# Allegro board rt1064_som.brd (continued)
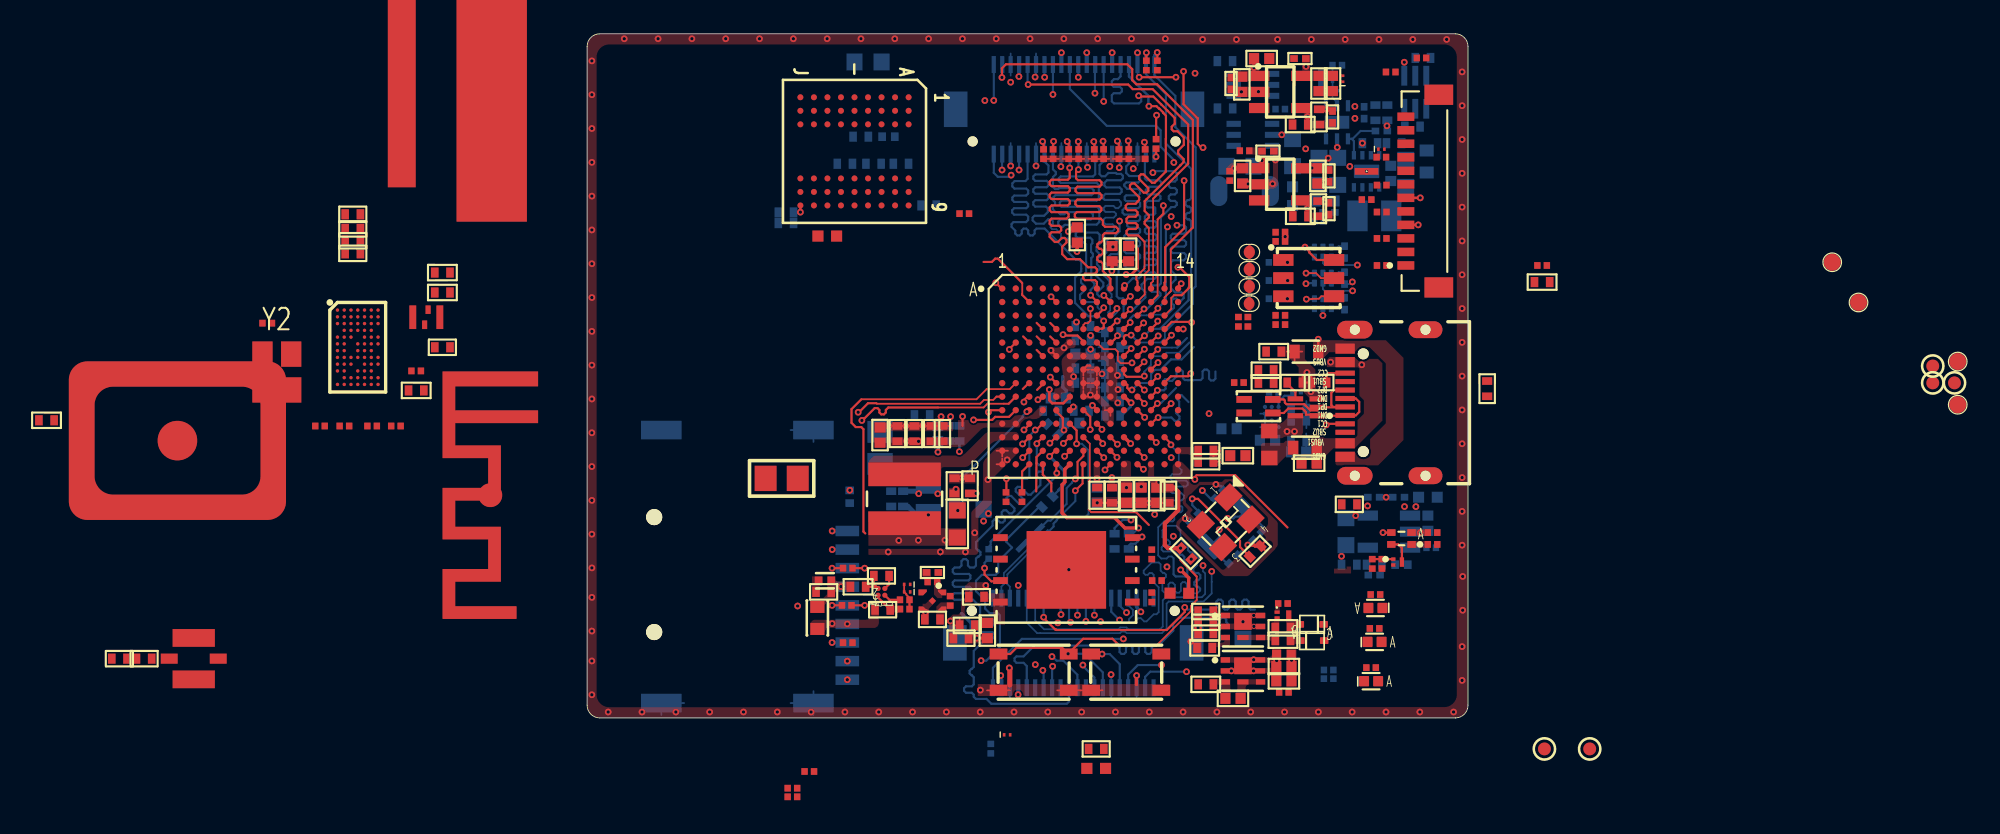
[diagram p0: board, top side]
## Routing (per net, layer and track width the routed paths; a pad name or vN(x,y) marks a point on that pad's centre or on a via; arc(x,y) is an arc through that point) (continued)
GPIO_B1_02: length 21.6
  TOP w0.127: v1(32.94,24.19) U3.C11
  SIG1 w0.127: v1(30.55,36.47) 30.7,36.47 32.59,34.58 32.99,34.58 33.47,34.1 33.47,33.89 33.21,33.63 33.21,32.87 33.46,32.62 v1(33.46,32.26)
  BOTTOM w0.127: v1(33.46,32.26) 33.55,32.35 34.74,32.35 34.87,32.22 34.87,31.85 34.76,31.73 34.51,31.73 34.4,31.62 34.4,31.46 34.51,31.35 34.76,31.35 34.87,31.24 34.87,31.08 34.76,30.97 34.51,30.97 34.4,30.86 34.4,30.7 34.51,30.59 34.76,30.59 34.87,30.48 34.87,30.35 34.75,30.22 34.55,30.22 33.93,29.61 33.93,25.7 33.82,25.59 33.4,25.59 33.29,25.48 33.29,25.32 33.4,25.21 33.82,25.21 33.91,25.12 33.91,24.99 33.11,24.19 v1(32.94,24.19) ; J5.14 v1(30.55,36.47)
GPIO_B1_03: length 21.6
  TOP w0.127: v1(32.91,23.37) U3.D11
  SIG1 w0.102: 34.01,23.86 33.32,23.86
  SIG1 w0.127: 34.01,23.86 34.54,24.39 34.54,24.64 34.18,25.01 34.18,25.16 34.29,25.27 34.45,25.27 34.81,24.91 35.06,24.91 35.57,25.42 35.57,25.48 35.58,25.48 35.58,29.74 34.26,31.06 34.26,33.3 34.04,33.53 34.04,33.89 30.78,37.16 30.23,37.16 v1(30.03,36.96) ; v1(32.91,23.37) 32.91,23.45 33.32,23.86
  BOTTOM w0.127: J5.16 30.03,38.64 v1(30.03,36.96)
GPIO_B1_04: length 21.8
  TOP w0.127: v1(33.77,22.6) 33.75,22.62 33.74,22.62 33.35,22.23 U3.E12
  SIG1 w0.127: v1(33.77,22.6) 34.05,22.88 34.05,22.88 36.19,25.02 36.19,30.15 34.88,31.45 34.88,31.93 35.16,32.21 35.16,33.1 34.98,33.29 34.77,33.29 34.31,33.75 34.31,34.03 30.55,37.79 29.16,37.79 v1(29.05,37.9)
  BOTTOM w0.127: J5.20 v1(29.05,37.9)
GPIO_B1_05: length 21.9
  TOP w0.127: U3.D12 33.75,23.4 v1(33.75,23.48)
  SIG1 w0.127: v1(33.75,23.48) 33.82,23.41 34.14,23.41 35.88,25.15 35.88,29.93 34.55,31.25 34.55,32.71 v1(34.7,32.86)
  BOTTOM w0.127: v1(34.7,32.86) 34.7,33.01 33.92,33.79 33.92,34.76 33.66,35.03 30.73,35.03 28.55,37.21 J5.22
GPIO_B1_06: length 22.7
  TOP w0.127: U3.C12 33.76,24.21 v1(33.76,24.23)
  SIG1 w0.127: v1(27.55,36.89) 27.84,36.89 28.29,37.34 28.47,37.34 28.57,37.23 28.57,37.07 28.09,36.58 28.09,36.42 28.2,36.31 28.36,36.31 28.86,36.82 29.02,36.82 29.13,36.71 29.13,36.55 28.63,36.04 28.63,35.89 28.74,35.77 28.9,35.77 29.4,36.28 29.56,36.28 30.97,34.87 30.97,33.94 31.17,33.73 31.17,33.72 31.64,33.72 31.84,33.52 31.84,31.63 34.23,29.24 34.23,29.14 v1(34.32,29.05)
  BOTTOM w0.127: v1(33.76,24.23) 34.23,24.71 34.23,28.96 v1(34.32,29.05) ; v1(27.55,36.89) J5.26
GPIO_B1_07: length 22
  TOP w0.102: 33.74,25 33.74,29.49
  TOP w0.127: v1(34.08,30.31) 34.08,29.83 33.74,29.49 ; U3.B12 33.74,25
  SIG1 w0.127: v1(27.06,37.9) 27.06,37.77 26.34,37.05 26.34,36.84 26.47,36.71 26.65,36.71 27.64,37.7 27.73,37.7 27.93,37.9 28.17,37.9 28.37,37.7 28.67,37.7 31.84,34.54 32.16,34.54 32.39,34.31 32.39,33.74 32.53,33.6 32.53,33.45 32.33,33.26 32.33,33.08 32.92,32.49 32.92,32.22 32.79,32.09 32.44,32.09 32.31,31.97 32.31,31.72 33.73,30.31 v1(34.08,30.31)
  BOTTOM w0.127: v1(27.06,37.9) 27.05,37.91 J5.28
GPIO_B1_08: length 22.2
  TOP w0.102: 33.35,25.71 33.47,25.84 33.47,30.72
  TOP w0.127: v1(26.08,37.47) 32,37.47 32.27,37.2 32.78,37.2 32.78,37.2 33.45,37.2 35.55,35.1 35.55,32.79 33.47,30.72 ; U3.A12 33.35,25.71
  BOTTOM w0.127: v1(26.08,37.47) 26.05,37.51 J5.32
GPIO_B1_09: length 22
  TOP w0.127: U3.A13 34.15,25.76 34.19,25.79 34.19,27.85 35.31,28.97 v1(35.31,31.79)
  SIG1 w0.127: v1(35.31,31.79) 35.59,32.07 35.59,34.1 35.06,34.63 34.15,34.63 30.48,38.31 25.9,38.31 v1(25.54,37.95)
  BOTTOM w0.127: J5.34 25.55,37.96 v1(25.54,37.95)
GPIO_B1_10: length 26
  TOP w0.102: 34.52,25.25 34.52,27.71 ; 34.52,25.25 34.51,25.25 34.15,24.88 U3.B13 ; 34.52,25.25 34.43,25.16
  TOP w0.127: v1(24.53,37.89) 24.53,38.44 24.77,38.67 31.95,38.67 32.24,38.38 32.24,37.73 32.48,37.49 33.71,37.49 35.82,35.37 35.82,29.01 34.52,27.71
  BOTTOM w0.127: v1(24.53,37.89) 24.55,37.91 J5.38
GPIO_B1_11: length 21.6
  TOP w0.102: U3.C13 34.55,24.21 34.55,24.85 34.71,25.01
  TOP w0.127: 34.71,25.01 35.16,25.01 35.61,25.45 35.61,26.09 35.03,26.66 v1(34.94,26.66)
  SIG1 w0.127: v1(34.94,26.66) 33.34,26.66 24.56,35.44 24.56,35.59 24.56,35.75 24.41,35.9 24.18,35.9 24.05,36.03 v1(24.05,36.53)
  BOTTOM w0.127: v1(24.05,36.53) J5.40
GPIO_B1_14: length 10.3
  SIG1 w0.127: v1(33.97,3.13) 33.97,3.4 34.11,3.54 34.27,3.54 34.4,3.41 34.56,3.41 34.67,3.52 34.67,3.68 34.54,3.81 34.54,3.97 34.65,4.08 34.81,4.08 34.94,3.95 35.1,3.95 35.21,4.06 35.21,4.22 35.08,4.35 35.08,4.51 35.74,5.17 35.89,5.17 35.96,5.1 36.12,5.1 36.23,5.21 36.23,5.37 36.16,5.43 36.16,5.59 36.79,6.22 37.81,6.22 37.98,6.39 38.24,6.39 38.26,6.37
  BOTTOM w0.127: J6.34 32,2.56 32.57,3.13 v1(33.97,3.13)
GPIO_B1_15: length 0.4
  BOTTOM w0.102: U23.2 v1(43.52,23.81)
GPIO_SD_B1_01: length 35.1
  TOP w0.127: v1(27.37,16.26) 27.72,16.61 U3.M5
  SIG1 w0.127: 28.69,13.77 28.04,13.77 27.91,13.65 27.91,12.85 28.02,12.74 29.09,12.74 29.2,12.63 29.2,12.47 29.09,12.36 28.02,12.36 27.91,12.25 27.91,12.09 28.02,11.98 29.09,11.98 29.2,11.87 29.2,11.71 29.09,11.6 28.02,11.6 27.91,11.49 27.91,11.33 28.02,11.22 29.09,11.22 29.2,11.11 29.2,10.95 29.09,10.84 28.02,10.84 27.91,10.73 27.91,9.98 28.05,9.84 28.15,9.84 28.16,9.83 28.77,9.83 28.87,9.74 28.87,9.56 28.76,9.46 28.05,9.46 27.94,9.35 27.94,9.19 28.05,9.08 28.82,9.08 28.93,8.96 28.93,8.81 28.82,8.7 28.05,8.7 27.94,8.58 27.94,8.4 28.07,8.28 28.31,8.28 28.44,8.15 28.44,7.97 28.31,7.84 28.1,7.84 27.94,7.69 27.94,7.48 26.27,5.81 26.27,4.76 26.4,4.63 26.51,4.63 26.64,4.76 26.64,4.94 26.75,5.06 26.9,5.06 27.02,4.94 27.02,4.62 27.13,4.51 27.29,4.51 27.4,4.62 27.4,4.82 27.52,4.94 27.65,4.94 27.78,4.82 27.78,4.62 27.89,4.51 28.05,4.51 28.16,4.62 28.16,4.82 28.29,4.94 28.38,4.94 28.54,4.79 28.54,4.62 28.65,4.51 28.81,4.51 28.92,4.62 28.92,4.94 29.03,5.06 29.19,5.06 29.3,4.94 29.3,4.63 29.43,4.51 29.91,4.51 30.04,4.38 30.04,4.16 29.93,4.05 29.56,4.05 29.4,3.9 29.4,3.68 29.59,3.5 29.93,3.5 30.06,3.37 30.06,3.16 29.51,2.62 27.15,2.62 v1(26.95,2.81)
  BOTTOM w0.127: J6.14 27,2.77 v1(26.95,2.81)
GPIO_SD_B1_02: length 20.1
  TOP w0.13: U3.M3 v1(25.75,16.21)
  SIG1 w0.127: 23.78,8.15 24.83,8.15 24.96,8.03 24.96,7.85 24.85,7.74 24.49,7.74 24.38,7.62 24.38,7.41 24.27,7.3 23.08,7.3 22.92,7.14 22.92,6.96 23.12,6.76 24.26,6.76 24.38,6.63 24.38,6.39 24.27,6.28 23.55,6.28 23.44,6.17 23.44,6.01 23.55,5.9 24.27,5.9 24.38,5.79 24.38,5.63 24.27,5.52 23.55,5.52 23.44,5.41 23.44,5.25 23.55,5.14 24.27,5.14 24.38,5.03 24.38,4.87 24.27,4.76 23.55,4.76 23.44,4.65 23.44,4.49 23.55,4.38 24.27,4.38 24.38,4.27 24.38,3.69 24.51,3.56 25.51,3.56 25.62,3.45 25.62,2.9 25.73,2.79 25.89,2.79 26,2.9 26,3.45 26.11,3.56 26.66,3.56 26.67,3.56 26.78,3.56 27.32,3.02 27.5,3.02 v1(27.53,3.05)
  BOTTOM w0.127: v1(27.53,3.05) 27.51,3.03 27.51,2.86 27.5,2.85 J6.16
GPIO_SD_B1_03: length 40.2
  TOP w0.127: U3.M4 26.6,16.25 v1(26.6,16.23)
  BOTTOM w0.127: 26.6,16 26.6,15.08 26.72,14.96 26.9,14.96 27.01,14.84 27.01,14.69 26.9,14.57 26.71,14.57 26.6,14.46 26.6,14.32 26.81,14.11 26.81,13.78 26.24,13.21 26.08,13.21 25.62,13.67 25.46,13.67 25.35,13.56 25.35,13.4 25.81,12.94 25.81,12.78 25.7,12.67 25.54,12.67 25.08,13.13 24.92,13.13 24.81,13.02 24.81,12.86 25.27,12.4 25.27,12.24 25.13,12.1 24.97,12.1 24.79,12.28 24.63,12.28 24.52,12.17 24.52,12.01 24.7,11.83 24.7,11.67 24.59,11.56 24.43,11.56 24.25,11.74 24.09,11.74 23.98,11.63 23.98,11.38 23,10.4 23,10.03 23.11,9.92 23.15,9.92 23.26,9.81 23.26,9.65 23.15,9.54 23.11,9.54 23,9.43 23,9.01 22.89,8.9 22.64,8.9 22.52,9.02 22.52,9.28 22.41,9.39 22.25,9.39 22.14,9.28 22.14,9.02 22.02,8.9 21.74,8.9 21.63,8.79 21.63,8.63 21.74,8.52 22.58,8.52 22.67,8.43 22.67,8.25 22.57,8.15 22.57,8.14 21.74,8.14 21.63,8.03 21.63,7.87 21.74,7.76 22.62,7.76 22.71,7.66 22.71,7.5 22.59,7.37 21.72,7.37 21.61,7.26 21.61,7.11 21.72,6.99 22.83,6.99 23.24,6.58 23.24,5.96 23.37,5.83 23.97,5.83 24.08,5.72 24.08,5.56 23.97,5.45 23.22,5.45 23.1,5.34 23.1,5.18 23.22,5.07 23.97,5.07 24.08,4.96 24.08,4.8 23.97,4.69 23.59,4.69 22.87,3.97 22.87,3.02 22.75,2.9 22.73,2.9 22.62,2.79 22.62,2.63 22.73,2.52 22.75,2.52 22.87,2.41 22.87,1.98 22.75,1.87 22.4,1.87 22.29,1.76 22.29,1.6 22.4,1.49 22.75,1.49 22.87,1.38 22.87,1.25 22.99,1.12 23.62,1.12 23.9,0.84 28.37,0.84 28.5,0.97 J6.20
  BOTTOM w0.15: v1(26.6,16.23) 26.6,16.22 26.6,16
GPIO_SD_B1_04: length 40.3
  SIG1 w0.127: 25.23,14.56 25.19,14.51 25.19,14.21 25.31,14.08 26.14,14.08 26.26,13.96 26.26,13.73 26.15,13.62 24.95,13.62 24.84,13.51 24.84,13.35 24.9,13.29 24.9,13.28 24.95,13.23 26.2,13.23 26.31,13.12 26.31,12.96 26.2,12.85 24.95,12.85 24.84,12.74 24.84,12.58 24.95,12.47 26.2,12.47 26.31,12.36 26.31,12.2 26.2,12.09 24.95,12.09 24.84,11.97 24.84,11.82 24.95,11.71 26.2,11.71 26.31,11.59 26.31,11.44 26.2,11.32 24.95,11.32 24.84,11.21 24.84,11.05 24.95,10.94 26.2,10.94 26.31,10.83 26.31,10.67 26.2,10.56 24.95,10.56 24.84,10.45 24.84,10.29 24.95,10.18 26.2,10.18 26.31,10.07 26.31,9.91 26.2,9.8 24.95,9.8 24.84,9.69 24.84,9.53 24.95,9.42 26.2,9.42 26.31,9.31 26.31,9.15 26.2,9.04 24.95,9.04 24.84,8.93 24.84,8.8 24.95,8.69 26.17,8.69 26.29,8.56 26.29,7.52 26.15,7.37 24.98,7.37 24.75,7.15 24.75,6.87 24.88,6.74 25.33,6.74 25.44,6.63 25.44,6.48 25.33,6.36 24.88,6.36 24.77,6.25 24.77,6.09 24.88,5.98 25.33,5.98 25.44,5.87 25.44,5.71 25.33,5.6 24.88,5.6 24.77,5.49 24.77,5.28 24.86,5.19 25.27,5.19 25.39,5.06 25.39,4.53 25.27,4.4 25.04,4.4 25.04,4.4 24.87,4.4 24.75,4.28 24.75,4 24.87,3.87 27.03,3.87 27.27,3.63 v1(27.49,3.63)
  BOTTOM w0.127: v1(27.49,3.63) 27.53,3.63 27.77,3.39 28.16,3.39 28.99,2.56 28.99,1.79
  BOTTOM w0.15: J6.22 28.99,1.79
GPIO_SD_B1_05: length 40.2
  TOP w0.127: v1(25.76,15.4) 26.15,15.79 U3.N3
  SIG1 w0.127: v1(25.76,15.4) 25.76,15.64 25.94,15.82 26.76,15.82 26.9,15.68 26.9,15.26 26.69,15.05 25.96,15.05 25.7,14.79 25.7,14.57 25.86,14.42 26.42,14.42 26.66,14.66 27.26,14.66 27.39,14.53 27.39,14.35 27.26,14.23 26.72,14.23 26.59,14.1 26.59,13.92 26.71,13.81 27.41,13.81 27.52,13.7 27.52,13.54 27.41,13.43 26.71,13.43 26.59,13.32 26.59,13.16 26.71,13.05 27.41,13.05 27.52,12.94 27.52,12.78 27.41,12.67 26.71,12.67 26.59,12.55 26.59,12.4 26.71,12.29 27.41,12.29 27.52,12.17 27.52,12.02 27.41,11.9 26.71,11.9 26.59,11.79 26.59,11.63 26.71,11.52 27.41,11.52 27.52,11.41 27.52,11.25 27.41,11.14 26.71,11.14 26.59,11.03 26.59,10.87 26.71,10.76 27.41,10.76 27.52,10.65 27.52,10.49 27.41,10.38 26.71,10.38 26.59,10.27 26.59,10.11 26.71,10 27.41,10 27.52,9.89 27.52,9.73 27.41,9.62 26.71,9.62 26.59,9.51 26.59,9.35 26.71,9.24 27.41,9.24 27.52,9.13 27.52,8.97 27.41,8.86 26.71,8.86 26.59,8.74 26.59,8.59 26.71,8.48 27.41,8.48 27.52,8.36 27.52,8.21 27.41,8.09 26.76,8.09 26.65,7.98 26.65,7.74 26.76,7.63 26.98,7.63 27.1,7.52 27.1,7.36 26.84,7.11 26.56,6.83 26.4,6.83 26.26,6.97 26.11,6.97 25.99,6.86 25.99,6.7 26.17,6.53 26.17,6.37 26.08,6.28 25.81,6.28 25.7,6.17 25.7,6.01 25.81,5.9 25.91,5.9 26.02,5.79 26.02,5.63 25.91,5.52 25.81,5.52 25.7,5.41 25.7,5.25 25.81,5.14 25.91,5.14 26.02,5.03 26.02,4.87 25.91,4.76 25.81,4.76 25.7,4.64 25.7,4.49 25.81,4.38 25.91,4.38 26.06,4.23 28.93,4.23 29.09,4.07 29.09,3.82 28.68,3.41 28.09,3.41 27.98,3.29 27.98,3.07 28.11,2.94 28.65,2.94 28.83,3.13 v1(29.32,3.13)
  BOTTOM w0.127: v1(29.32,3.13) 29.32,3.07 30,2.39 J6.26
I2C1_SCL: length 33.7
  TOP w0.127: v1(32.96,18.6) 32.96,18.62 32.57,19.01 U3.J11
  SIG1 w0.102: 37.95,18.24 36.48,19.72 35.99,19.72 35.49,19.72 34.78,19.01 33.36,19.01 v1(32.96,18.6)
  SIG1 w0.127: 37.95,18.24 37.95,14.81 39.38,13.37 39.38,11.29 36.96,8.86 36.96,8.86 36.94,8.84 v1(36.94,8.67)
  BOTTOM w0.102: J6.9 26,5.63 26.62,5.02 26.8,5.02 26.81,5.02 31.52,5.02 31.6,5.1 31.82,5.1 31.91,5.02 34,5.02 34.27,5.29 34.27,6.76 34.4,6.89 35.19,6.89 35.2,6.89 36.46,6.89 36.94,7.37 36.94,8.05 36.94,8.05 v1(36.94,8.67)
I2C1_SDA: length 33
  TOP w0.127: v1(32.97,17.78) U3.K11
  SIG1 w0.102: 37.69,18.11 36.32,19.49 35.9,19.49 35.9,19.49 35.58,19.49 35.34,19.25 35.34,18.93 34.91,18.5 34.91,18.44 34.69,18.22 34.63,18.22 34.62,18.2 33.37,18.2
  SIG1 w0.127: 37.69,18.11 37.69,14.64 39.08,13.25 39.08,11.32 36.78,9.01 v1(36.43,9.01) ; v1(32.97,17.78) 33.25,18.06 33.25,18.08 33.37,18.2
  BOTTOM w0.102: v1(36.43,9.01) 36.43,8.67 36.55,8.55 36.55,7.34 36.35,7.14 34.22,7.14 34.04,6.96 34.04,5.4 33.89,5.25 32,5.25 31.9,5.35 31.53,5.35 31.42,5.25 27.02,5.25 26.5,5.77 J6.11
JTAG_NTRST: length 5.4
  TOP w0.127: v1(32.95,20.23) 32.92,20.23 32.88,20.18 31.91,20.18 31.75,20.34 U3.G10
  BOTTOM w0.102: 32.95,20.46 32.95,20.49 33.34,20.88 33.34,21.21 33.53,21.4 34.06,21.4 34.27,21.61 35.02,21.61
  BOTTOM w0.127: 35.62,22.21 35.02,21.61
  BOTTOM w0.15: 32.95,20.46 v1(32.95,20.23)
JTAG_TCK: length 2.6
  TOP w0.127: v1(33.75,21.81) U3.F12
  BOTTOM w0.102: 34.91,21.91 34.89,21.91 34.89,21.91 34.59,21.91 34.59,21.91 33.85,21.91 v1(33.75,21.81)
  BOTTOM w0.127: 35.48,22.47 34.91,21.91
LDO_1V8:
  vias: v1(45.45,11.97) v1(46.16,12.54)
MCU_DCDC_IN_3V3: length 1.2
  TOP w0.102: v1(19.6,16.36) 19.59,16.37 C63.1
  TOP w0.127: v1(22.2,17.84) 22.2,17.27
  TOP w0.2: R47.2 v1(23.01,13.28)
  vias: v1(15.53,13.47) v1(18.9,16.37)
MCU_ON/OFF: length 22.3
  TOP w0.127: U3.M6 28.53,16.61 v1(28.17,16.24)
  SIG1 w0.127: v1(30.45,3.78) 30.45,5.12 30.27,5.31 28.79,5.31 28.75,5.27 28.42,5.27 28.39,5.31 28.26,5.31 28.15,5.2 27.7,5.2 27.39,5.51 27.39,6.46 30.44,9.5 30.44,12.23 30.33,12.33 30.01,12.33 29.78,12.56 29.78,12.89 29.98,13.09 29.42,13.64 29.42,16.32 29.11,16.63 28.53,16.63 28.17,16.26 v1(28.17,16.24)
  BOTTOM w0.127: J6.32 31.5,3.19 30.91,3.78 v1(30.45,3.78)
Net_202:
  vias: v1(34.67,10.75)
NVCC_EMC: length 1.4
  TOP w0.127: 27.71,21.32 27.71,21.47 v1(27.43,21.74)
  TOP w0.15: FB4.2 28.93,28.12
  TOP w0.2: v1(28.97,27.59) 28.99,27.61 FB4.2
  BOTTOM w0.2: C76.1 28.87,23.35 v1(28.94,23.42)
  vias: v1(28.2,21.9)
NVCC_GPIO: length 5.1
  TOP w0.127: U3.E9 30.97,22.23 31.02,22.23 31.37,22.58 v1(31.37,22.61) ; U3.F10 31.75,21.43 v1(32.18,21.85)
  TOP w0.2: v1(32.17,18.64) 32.15,18.64 32.08,18.72 32.06,18.72 31.77,19.01 U3.J10 ; v1(31.03,26.45) 31.05,26.46 C78.1 FB5.2
  BOTTOM w0.147: v1(32.17,18.64) 32.15,18.62 32.15,18.42 31.62,17.89 C80.1
  BOTTOM w0.2: C79.1 32.03,21.93 32.05,21.91 32.12,21.91 v1(32.18,21.85)
NVCC_SD: length 0.7
  TOP w0.127: R52.1 v1(16.41,8.86)
  vias: v1(42.52,38.54) v1(43.68,37.99) v1(43.73,36.01)
NVCC_SD0: length 2.5
  TOP w0.15: U3.J6 28.16,18.62 27.51,18.62 27.34,18.79 v1(27.34,19.43)
  BOTTOM w0.15: 27.04,18.17 27.04,18.23 ; 27.34,19.06 v1(27.34,19.43)
NVCC_SD1: length 1.4
  TOP w0.127: 28.14,17.09 28.14,17.7 28.13,17.7 28.13,17.75 27.75,18.13
  TOP w0.15: 28.14,17.09 v1(28.2,17.03)
  TOP w0.2: U3.K5 27.75,18.13
  vias: v1(36.78,18)
OTG1_DN: length 7.1
  TOP w0.127: J2.7 45.46,18.9 45.66,18.7 45.66,18.1 45.46,17.9 J2.5 44.81,17.88 U19.1 43.12,17.94 42.51,17.94 42.51,18.1 42.41,18.19 42.3,18.31 41.47,18.31 41.2,18.04 L6.1
OTG1_DP: length 7.3
  TOP w0.127: J2.8 44.18,19.4 44.01,19.23 44.01,18.51 44.12,18.4 J2.6 44.81,18.38 U19.2 43.18,18.19 42.77,18.19 42.5,18.47 42.41,18.56 41.36,18.56 41.27,18.66 41.27,18.78 41.2,18.84 L6.4
PMIC_ON_REQ: length 6.5
  TOP w0.127: v1(29.75,17.06) 29.75,17.82 29.37,18.21 U3.K7 29.35,18.21 29.36,18.22
  SIG1 w0.127: 24.84,17.71 29.12,17.71 29.75,17.08 v1(29.75,17.06)
POR_B: length 28.4
  TOP w0.102: 29.81,12.18 29.66,12.32 29.66,14.03 29.73,14.09 29.73,16.23 29.35,16.6 U3.M7 ; 33.68,4.29 35.71,6.32 35.71,6.63 36.06,6.98 36.06,7.76 36.05,7.77 36.05,8.37
  TOP w0.127: 36.05,8.37 35.66,8.76 35.66,8.76 35.08,9.33 ; 33.22,11.42 32.46,12.18 29.81,12.18 ; 33.68,4.29 33.27,4.29 33.27,4.29 31.47,4.29 31.07,4.68 29.34,4.68 v1(28.45,3.8) 28.1,4.14 25.38,4.14 25.02,3.78 SW2.4
  BOTTOM w0.127: v1(28.45,3.8) 29.4,3.8 30.5,2.7 J6.28
RESET: length 2.8
  BOTTOM w0.127: 45.21,34.26 45.28,34.26 45.74,34.72 C16.1 ; 45.21,34.26 U2.1 ; 45.21,34.26 45.35,34.12 U1.1
SD1_CLK: length 18.7
  TOP w0.127: v1(25.83,18.69) 25.83,18.8 26.04,19.01 U3.J3 ; R79.1 v1(16.41,6.66)
  SIG1 w0.127: 16.69,13.77 16.69,13.92 16.81,14.03 17.12,14.03 17.23,14.14 17.23,14.3 17.12,14.41 16.81,14.41 16.69,14.52 16.69,14.68 16.81,14.79 17.12,14.79 17.23,14.9 17.23,15.06 17.12,15.17 16.81,15.17 16.69,15.28 16.69,15.44 16.81,15.55 17.12,15.55 17.23,15.67 17.23,15.82 17.12,15.93 16.81,15.93 16.69,16.05 16.69,16.2 16.81,16.32 17.12,16.32 17.23,16.43 17.23,16.58 17.12,16.7 16.81,16.7 16.69,16.81 16.69,17.84 17.23,18.37 20.72,18.37 20.73,18.38 21.05,18.38 21.06,18.37 22.79,18.37 23.51,17.65 24.05,17.65 25.09,18.69 v1(25.83,18.69)
SD1_CMD: length 4
  TOP w0.127: U3.J4 26.77,18.83 v1(26.66,18.83) ; R52.2 v1(14.49,8.86)
  SIG1 w0.102: v1(26.66,18.83) 26.31,18.83 26.06,19.07 24.91,19.07
  SIG1 w0.127: 24.91,19.07 24.8,18.96 24.8,18.96 24.72,18.88
  BOTTOM w0.127: J1.3 v1(14.49,8.86)
SD1_D0: length 9.9
  TOP w0.102: 24.21,19.01 24.02,18.81 23.47,18.81 23.25,18.59 17.14,18.59 17.11,18.62
  TOP w0.127: 17.11,18.62 16.61,18.62 16.08,18.08 v1(16.03,18.08) ; U3.J1 24.21,19.01
  SIG1 w0.127: 15.99,18.08 v1(16.03,18.08)
  BOTTOM w0.127: J1.7 v1(14.49,4.46)
SD1_D1: length 0.9
  TOP w0.127: 24.55,18.22 U3.K1 23.85,18.21 v1(23.73,18.09)
  vias: v1(15.39,3.36)
SD1_D2: length 19.1
  TOP w0.102: U3.H2 25,19.45 23.63,19.45 23.02,18.85 16.22,18.85
  TOP w0.127: 16.22,18.85 15.64,18.27 15.64,17.46 15.89,17.21 16.21,17.21 16.34,17.08 16.34,11.02 16.45,10.92
  BOTTOM w0.127: 15.39,11.06 v1(14.49,11.06)
SD1_D3: length 11.1
  TOP w0.102: 24.64,18.59 23.67,18.59 23.45,18.37 20.75,18.37
  TOP w0.11: 24.93,18.59 24.64,18.59
  TOP w0.127: v1(16.25,17.6) 16.37,17.71 16.39,17.71 17.01,18.33 17.17,18.33 17.29,18.22 17.29,18.07 17.4,17.96 17.55,17.96 17.67,18.07 17.67,18.22 17.82,18.37 20.75,18.37 ; U3.J2 24.93,18.59
  BOTTOM w0.127: J1.2 v1(14.5,9.96)
SD_CD_SW: length 1.8
  TOP w0.127: U3.D13 34.57,23.43 35.72,23.43 v1(35.75,23.4)
SD_PWREN: length 0.4
  TOP w0.15: U3.M12 v1(33.66,16.3)
SD_VDD:
  vias: v1(15.01,7.77)
SDCLK: length 1.5
  TOP w0.127: v1(14.49,6.66) R79.2
  BOTTOM w0.127: J1.5 v1(14.49,6.66)
SDRAM_3V3: length 0.4
  TOP w0.15: U9.J9 v1(12.61,29.92)
SEMC_CLK: length 4.3
  TOP w0.102: 25.72,25.74 25.72,25.73 25.74,25.71 25.74,25.1 25.73,25.09 25.73,25.03
  TOP w0.127: 23.45,26.98 23.94,26.98 24.13,27.17 24.29,27.17 25.72,25.74 ; U3.B3 25.73,25.03
SEMC_D0: length 0.5
  TOP w0.127: U3.E3 25.79,22.57
SEMC_D2: length 0.5
  TOP w0.127: U3.F4 26.59,21.77
SEMC_D6: length 22.8
  TOP w0.127: U3.H5 v1(27.39,20.16)
  SIG1 w0.127: v1(27.39,20.16) 16.96,20.16 9.7,27.42 9.7,28.51 10.06,28.86
SEMC_D7: length 0.5
  TOP w0.127: 26.61,19.41 26.95,19.75 U3.H4
SEMC_D10: length 0.5
  TOP w0.127: U3.D5 27.39,23.37
SEMC_D12: length 0.5
  TOP w0.127: U3.D4 26.59,23.37
SEMC_D13: length 0.5
  TOP w0.127: U3.E5 27.39,22.57
SEMC_D15: length 0.5
  TOP w0.127: U3.E4 26.59,22.57
SEMC_DM0: length 0.5
  TOP w0.127: 25.77,19.46 26.11,19.81 U3.H3
U6_FB:
  vias: v1(42.61,30.15)
U6_VIN:
  vias: v1(38.27,32.52) v1(39.91,32.98)
UART1_RXD: length 0.8
  BOTTOM w0.102: U16.4 v1(48.33,38.79)
USB_OTG1_DN: length 0.5
  TOP w0.147: v1(30.5,16.23) 30.5,16.28 30.17,16.61 U3.M8
USB_OTG1_DP: length 0.5
  TOP w0.127: v1(30.45,17.07) 30.45,17.11 U3.L8
USB_OTG1_ID: length 5.7
  TOP w0.127: v1(32.22,19.4) 32.21,19.4 32.2,19.39 32.08,19.39 31.95,19.52 31.95,19.7 31.84,19.81 U3.H10
  BOTTOM w0.127: v1(32.22,19.4) 32.63,19.82 33.2,19.82 33.36,19.97 33.36,20.37 33.59,20.6 33.92,20.6 34.53,21.21 35.15,21.21 35.89,21.94
USB_OTG2_DN: length 10.8
  TOP w0.119: v1(28.87,14.14) 29,14.27 29,15.15 29.35,15.5 U3.N7
  BOTTOM w0.102: U24.1 26.67,10.83 26.34,10.5 26.34,10.32 26.21,10.13 24.65,8.57 24.65,7.91 24.5,7.77 J6.3
  BOTTOM w0.119: U24.1 27.23,11.67 27.41,11.67 27.53,11.79 27.53,11.84 28.36,12.66 28.36,13.6 28.67,13.91 28.67,13.94 v1(28.87,14.14)
USB_OTG2_DP: length 9.8
  TOP w0.119: U3.P7 29.3,14.96 29.3,13.87 v1(28.87,13.44)
  BOTTOM w0.102: 27.02,10.76 27.02,10.72 26.51,10.2 26.37,10 24.85,8.49 24.85,7.91 25,7.77 J6.5
  BOTTOM w0.119: v1(28.87,13.44) 28.87,12.83 27.78,11.73 27.78,11.69 27.71,11.62 27.59,11.5 27.59,11.32 27.02,10.76
USER_BUTTON: length 6.1
  TOP w0.127: v1(28.95,16.22) 28.95,17.01 U3.L6
  BOTTOM w0.102: 29.65,12.06 29.65,14.03
  BOTTOM w0.11: 29.65,14.03 29.65,15.83 29.27,16.22 v1(28.95,16.22)
  BOTTOM w0.127: 29.54,11.95 29.65,12.06
VLDO_3V3:
  vias: v1(42.86,32.53) v1(43.58,30.53)
VSD_3V3: length 1.5
  TOP w0.127: 17.11,7.76 16.96,7.91 C121.1 ; 17.11,7.76 17.21,7.66 ; 17.11,7.76 FB3.1
WDOG_B: length 81.3
  TOP w0.127: U3.D14 v1(35.26,23.01) ; v1(35.27,38.25) 35.27,36.32 36.11,35.48 36.11,33.96 36.33,33.74 v1(36.43,33.74)
  SIG1 w0.127: v1(36.43,33.74) 36.46,33.7 36.46,24.67 35.26,23.47 v1(35.26,23.01) ; 2.34,5.69 2.34,28.42 2.1,28.66 2.1,34.2 7.42,39.52 18.24,39.52 18.79,38.97 19.87,38.97 20.07,39.17 20.4,39.17 20.6,38.97 27.88,38.97 27.89,38.97 33.64,38.97 33.67,38.94 34.58,38.94 v1(35.27,38.25)
N3228024: length 2.3
  TOP w0.127: R536.1 41.41,19.77 41.89,19.28 U19.4 ; v1(43.71,17.34) 43.77,17.4 J2.4
N3234922: length 1
  TOP w0.127: U5.B1 17.88,6.99 R35.2
N3234942: length 1.6
  TOP w0.102: D9.A D10.A 18.88,7.33 18.88,7.29 19.06,7.11 R35.1
  TOP w0.127: R34.2 R35.1
N3235464:
  vias: v1(15.39,2.26)
N3251546: length 11.7
  TOP w0.127: U3.P9 30.95,14.99 v1(30.63,14.67)
  SIG1 w0.127: v1(37.38,11.14) 37.33,11.14 36.19,12.28 34.33,12.28 33.45,13.17 32.58,13.17 32.34,13.41 32.34,13.74 31.4,14.67 v1(30.63,14.67)
  BOTTOM w0.127: v1(37.38,11.14) 37.38,10.69 X2.2 37.88,9.09 ; 37.88,9.07 37.88,9.09 ; 37.88,9.09 C73.1
N3251555: length 11.6
  TOP w0.127: U3.N9 v1(31.34,15.42)
  SIG1 w0.127: v1(37.88,11.81) 37.77,11.91 37.76,11.91 37.12,12.56 34.61,12.56 33.02,14.14 32.62,14.14 31.59,15.17
  SIG1 w0.13: 31.59,15.17 31.58,15.17 v1(31.34,15.42)
  BOTTOM w0.127: C72.1 39.95,11.09 39.95,11.33 X2.1 38.6,11.91 38.33,11.91 38.23,11.81 v1(37.88,11.81)
N3251584: length 5.8
  TOP w0.13: U3.N11 v1(32.95,15.41)
  SIG1 w0.127: 32.93,15.43 v1(32.95,15.41) 33.2,15.15 33.22,15.15 33.35,15.03 34.25,15.03 35.82,13.45 v1(36.39,13.45)
  BOTTOM w0.127: C71.1 37.03,12.91 36.93,12.91 v1(36.39,13.45)
N3251626: length 10.2
  TOP w0.127: v1(32.9,14.71) 32.88,14.71 32.8,14.8 32.78,14.8 32.57,15.01 U3.P11 ; v1(35.79,12.96) 36.13,12.96 38.61,10.48 38.61,10.11 R46.1
  SIG1 w0.127: v1(35.79,12.96) 35.35,12.96 33.6,14.72 33.19,14.72 33.19,14.71 v1(32.9,14.71)
  BOTTOM w0.127: v1(35.79,12.96) 35.79,12.59 36.21,12.17 C70.1
N3260107: length 2.2
  TOP w0.102: D15.6 43.42,24.94 43.28,24.8 42.91,24.8 42.88,24.77 v1(42.54,24.77)
  BOTTOM w0.13: v1(42.54,24.77) 42.99,24.77 U23.4
N3260173: length 2.3
  TOP w0.102: D15.4 43.4,26.02 43.11,26.31 v1(42.52,26.31)
  BOTTOM w0.13: v1(42.52,26.31) 43.02,26.31
N3260253: length 2.6
  TOP w0.13: D15.2 43.15,27.09 42.71,27.54 42.71,27.6 v1(42.46,27.85)
  BOTTOM w0.13: v1(42.46,27.85) U21.4
N3260286: length 0.8
  TOP w0.102: D15.1 41.32,26.95 v1(41.42,26.95)
  BOTTOM w0.102: R128.2 v1(41.42,26.95)
N3260301: length 0.9
  TOP w0.102: D15.3 41.32,25.88 v1(41.43,25.88)
  BOTTOM w0.102: R129.1 v1(41.43,25.88)
N3260305: length 0.8
  TOP w0.102: D15.5 41.32,24.8 v1(41.41,24.8)
  BOTTOM w0.102: R130.1 v1(41.41,24.8)
N3285956: length 1.2
  TOP w0.13: R12.2 R13.1 Q4.1
N3286038: length 1.5
  TOP w0.13: 47.56,10.27 47.98,10.27 48.19,10.06 Q4.3
N3286046:
  vias: v1(49.27,10.96)
N3286273: length 1.3
  BOTTOM w0.102: R25.2 D6.C 43.91,38.16 C19.1
N3365178: length 1.6
  TOP w0.127: J2.10 43.83,20.4 43.74,20.31 R535.1
N3365194: length 0.7
  TOP w0.15: L7.2 v1(43.24,22.41)

## Copper pours and planes (outline as drawn; the poured copper is in the pictures)
5V_EXT on TOP: 41.04,4.05 41.04,1.89 41.05,1.88 40.52,1.88 40.51,1.9 40.51,2.46 40.45,2.6 40.31,2.66 40.11,2.66 40.1,2.65 39.25,2.65 39.25,2.62 38.32,2.62 38.32,2.65 37.47,2.65 37.47,2.95 38.17,2.95 38.28,2.99 38.32,3.1 38.32,3.12 38.28,3.23 38.17,3.27 37.47,3.27 37.47,3.28 37.47,3.6 39.77,3.6 40.31,3.6 40.45,3.66 40.51,3.8 40.51,4.05 ; 1 cut-out
5V_EXT on BOTTOM: 38.02,3.61 39.55,3.61 39.55,3.29 39.38,3.29 39.27,3.25 39.23,3.14 39.23,3.09 39.27,2.99 39.38,2.94 39.56,2.94 39.56,2.61 38.01,2.61 38.01,2.94 38.25,2.94 38.36,2.99 38.4,3.09 38.4,3.14 38.36,3.25 38.25,3.29 38.02,3.29
5V_SYS on TOP: 39.13,39.35 39.74,39.35 39.74,38.28 40.34,38.28 40.34,38.28 40.34,37.68 40.33,37.66 37.88,37.66 37.88,37.67 37.88,38.12 38.05,38.28 39.13,38.28
5V_USB_OTG on TOP: 41.44,18.03 42.35,18.03 42.35,18.03 42.35,17.24 42.34,17.19 42.34,16.93 42.32,16.84 42.27,16.76 42.24,16.73 42.16,16.68 42.07,16.66 41.41,16.66 41.25,16.63 41.1,16.55 39.83,16.55 39.83,17.08 39.84,17.08 39.84,17.38 39.86,17.4 40.86,17.4 41.05,17.44 41.21,17.55 41.44,17.78
5V_USB_OTG on BOTTOM: 40.39,17.66 40.42,17.73 40.5,17.76 40.54,17.76 40.61,17.73 40.64,17.66 40.64,17.48 40.68,17.37 40.79,17.33 40.98,17.33 41.03,17.31 41.06,17.25 41.06,17.24 41.08,17.18 41.14,17.16 41.4,17.16 41.92,17.16 41.92,17.16 42.01,17.11 42.05,17.01 42.05,16.89 42.01,16.79 41.92,16.74 41.92,15.53 41.4,15.53 41.4,16.74 40.99,16.74 40.99,16.12 40.98,16.11 40.39,16.11 40.39,16.11
5V_VIN on BOTTOM: 48.12,13.39 49.47,13.39 49.49,13.38 49.49,12.75 49.49,12.75 49.27,12.75 49.27,12.27 50.04,12.27 50.04,11.67 48.76,11.67 48.76,11.68 48.12,11.68 48.12,11.68
GND on TOP: 21.4,13.61 22.05,13.61 22.05,12.78 22.14,12.78 22.14,11.79 21.45,11.79 21.4,11.8
